# KiCad board keyboard.kicad_pcb (continued)
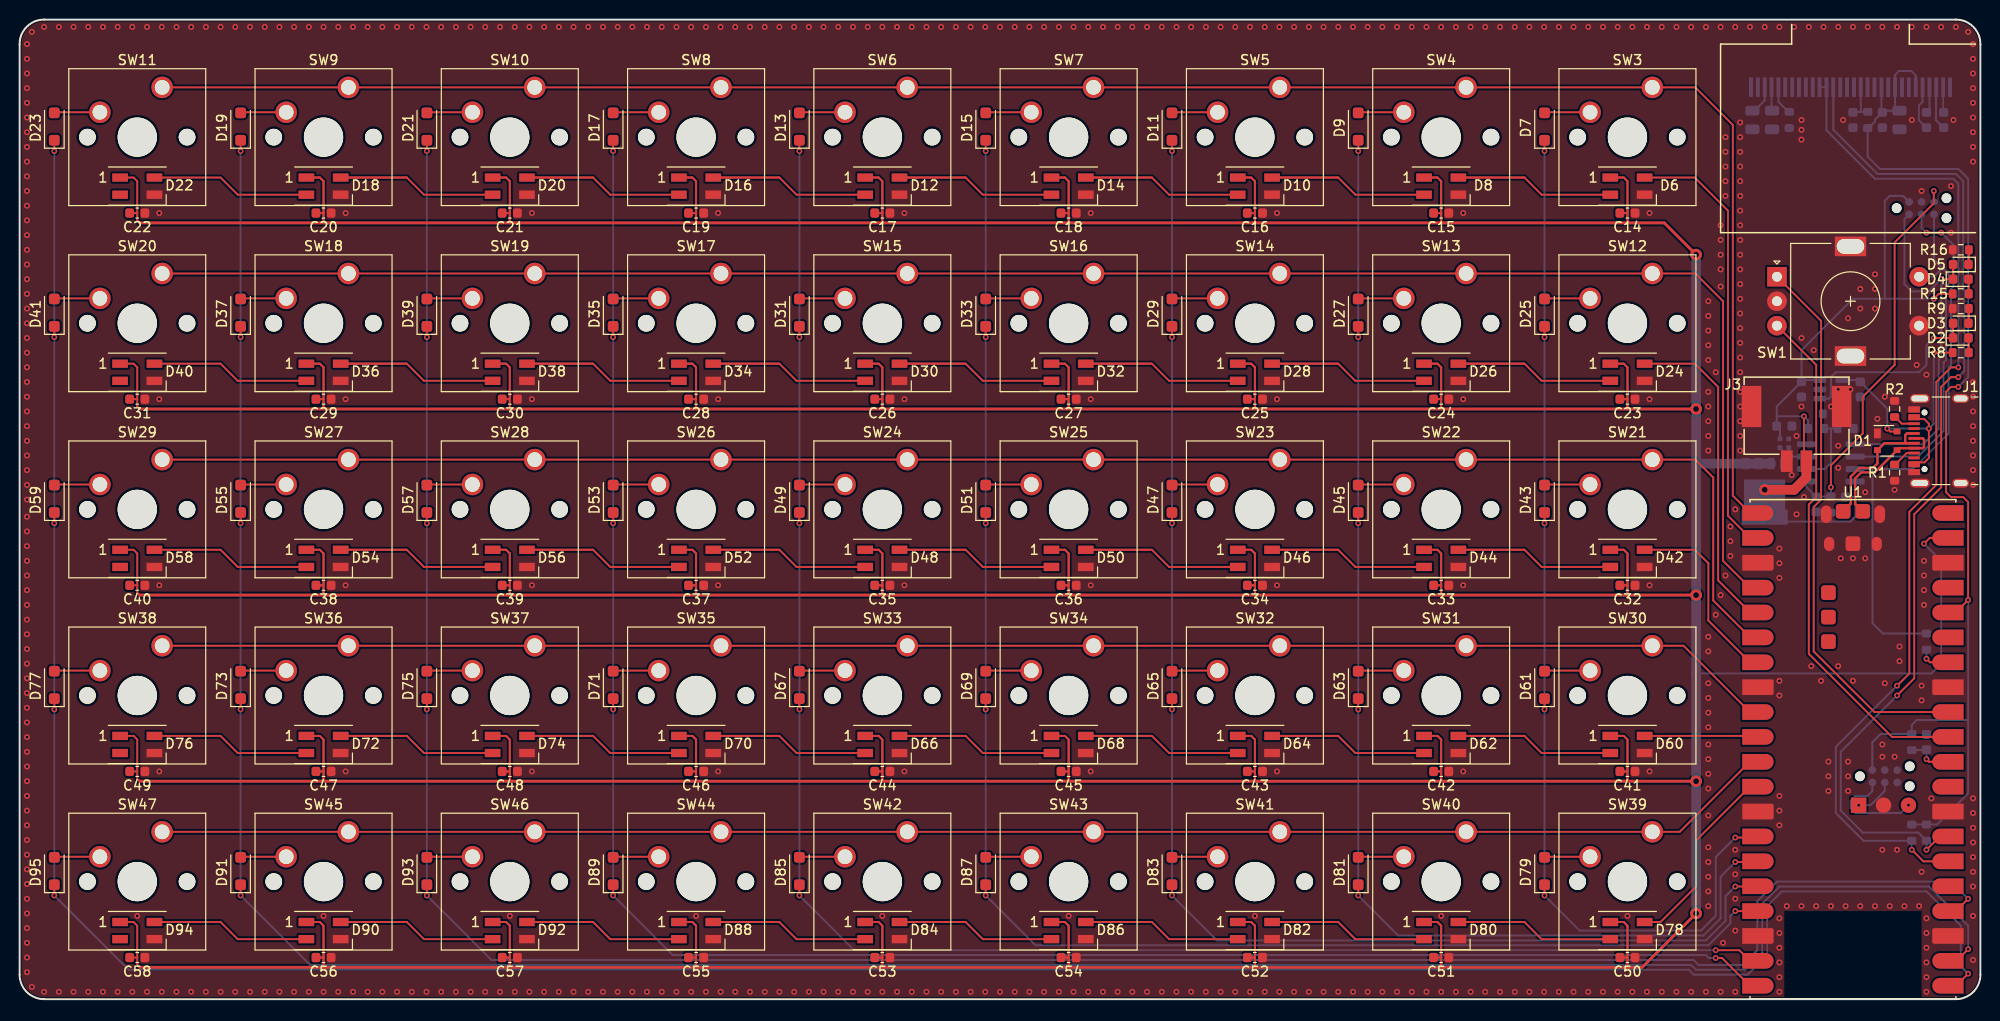
[diagram p0: board, top side]
## Nets
+3V3: C3.1 C4.1 J2.1 R3.1 R5.1 R6.1 R11.1 U1.36 U3.6 U3.9 U3.11
+5V: C2.1 D1.4 J1.A4 J1.A9 J1.B4 J1.B9 R8.2 U6.4
/vbatt_sense: R12.2 R13.1 U4.2
GND: C1.2 C2.2 C3.2 C4.2 C5.2 C8.2 C9.2 C10.2 C11.2 C12.2 C13.2 C14.1 C15.1 C16.1 C17.1 C18.1 C19.1 C20.1 C21.1 C22.1 C23.1 C24.1 C25.1 C26.1 C27.1 C28.1 C29.1 C30.1 C31.1 C32.1 C33.1 C34.1 C35.1 C36.1 C37.1 C38.1 C39.1 C40.1 C41.1 C42.1 C43.1 C44.1 C45.1 C46.1 C47.1 C48.1 C49.1 C50.1 C51.1 C52.1 C53.1 C54.1 C55.1 C56.1 C57.1 C58.1 D1.1 D6.3 D8.3 D10.3 D12.3 D14.3 D16.3 D18.3 D20.3 D22.3 D24.3 D26.3 D28.3 D30.3 D32.3 D34.3 D36.3 D38.3 D40.3 D42.3 D44.3 D46.3 D48.3 D50.3 D52.3 D54.3 D56.3 D58.3 D60.3 D62.3 D64.3 D66.3 D68.3 D70.3 D72.3 D74.3 D76.3 D78.3 D80.3 D82.3 D84.3 D86.3 D88.3 D90.3 D92.3 D94.3 J1.A1 J1.A12 J1.B1 J1.B12 J1.S1 J2.3 J3.1 J3.MP J4.3 R1.2 R2.2 R7.2 R9.2 R10.2 R13.2 R16.2 SW1.C SW1.MP SW1.S1 U1.3 U1.8 U1.13 U1.18 U1.23 U1.28 U1.33 U1.38 U1.D2 U1.MNT U1.TP1 U3.1 U3.8 U3.10 U3.12 U3.13 U3.15 U3.16 U3.17 U3.21 U3.22 U3.23 U3.24 U3.25 U3.29 U3.30 U4.4 U5.2 U6.2
+BATT: C14.2 C15.2 C16.2 C17.2 C18.2 C19.2 C20.2 C21.2 C22.2 C23.2 C24.2 C25.2 C26.2 C27.2 C28.2 C29.2 C30.2 C31.2 C32.2 C33.2 C34.2 C35.2 C36.2 C37.2 C38.2 C39.2 C40.2 C41.2 C42.2 C43.2 C44.2 C45.2 C46.2 C47.2 C48.2 C49.2 C50.2 C51.2 C52.2 C53.2 C54.2 C55.2 C56.2 C57.2 C58.2 D6.1 D8.1 D10.1 D12.1 D14.1 D16.1 D18.1 D20.1 D22.1 D24.1 D26.1 D28.1 D30.1 D32.1 D34.1 D36.1 D38.1 D40.1 D42.1 D44.1 D46.1 D48.1 D50.1 D52.1 D54.1 D56.1 D58.1 D60.1 D62.1 D64.1 D66.1 D68.1 D70.1 D72.1 D74.1 D76.1 D78.1 D80.1 D82.1 D84.1 D86.1 D88.1 D90.1 D92.1 D94.1 Q1.1 Q1.2 Q1.3 U1.39
/D+: D1.2 J1.A6 J1.B6 U1.TP3
/D-: D1.3 J1.A7 J1.B7 U1.TP2
/enc_a: SW1.B U1.31
/enc_b: SW1.A U1.32
/led_r0: D6.4 U1.2
/led_r1: D24.4 U1.5
/led_r2: D42.4 U1.7
/led_r3: D60.4 U1.10
/led_r4: D78.4 U1.12
/led_sw0/dout: D6.2 D8.4
/led_sw1/dout: D8.2 D10.4
/led_sw2/dout: D10.2 D14.4
/led_sw3/dout: D12.4 D14.2
/led_sw4/dout: D12.2 D16.4
/led_sw5/dout: D16.2 D20.4
/led_sw6/dout: D18.4 D20.2
/led_sw7/dout: D18.2 D22.4
/led_sw8/dout: D22.2
/led_sw10/din: D24.2 D26.4
/led_sw10/dout: D26.2 D28.4
/led_sw11/dout: D28.2 D32.4
/led_sw12/dout: D30.4 D32.2
/led_sw13/dout: D30.2 D34.4
/led_sw14/dout: D34.2 D38.4
/led_sw15/dout: D36.4 D38.2
/led_sw16/dout: D36.2 D40.4
/led_sw17/dout: D40.2
/led_sw18/dout: D42.2 D44.4
/led_sw19/dout: D44.2 D46.4
/led_sw20/dout: D46.2 D50.4
/led_sw21/dout: D48.4 D50.2
/led_sw22/dout: D48.2 D52.4
/led_sw23/dout: D52.2 D56.4
/led_sw24/dout: D54.4 D56.2
/led_sw25/dout: D54.2 D58.4
/led_sw26/dout: D58.2
/led_sw27/dout: D60.2 D62.4
/led_sw28/dout: D62.2 D64.4
/led_sw29/dout: D64.2 D68.4
/led_sw30/dout: D66.4 D68.2
/led_sw31/dout: D66.2 D70.4
/led_sw32/dout: D70.2 D74.4
/led_sw33/dout: D72.4 D74.2
/led_sw34/dout: D72.2 D76.4
/led_sw35/dout: D76.2
/led_sw36/dout: D78.2 D80.4
/led_sw37/dout: D80.2 D82.4
/led_sw38/dout: D82.2 D86.4
/led_sw39/dout: D84.4 D86.2
/led_sw40/dout: D84.2 D88.4
/led_sw41/dout: D88.2 D92.4
/led_sw42/dout: D90.4 D92.2
/led_sw43/dout: D90.2 D94.4
/led_sw44/dout: D94.2
/lipo+: C5.1 C11.1 C13.1 J3.2 J4.1 Q1.5 R12.1 R14.1 R15.1 U4.8 U5.1 U6.3
/pwr_en: U4.3 U5.3
/pwr_led: D4.1 D5.2 J4.2 U4.5
/pwr_sw: J4.6 SW1.S2 U4.6
/SCL: R6.2 U1.27 U3.18
/SDA: R5.2 U1.26 U3.19 U3.20
/sw_c0: D23.1 D41.1 D59.1 D77.1 D95.1 U1.21
/sw_c1: D19.1 D37.1 D55.1 D73.1 D91.1 U1.22
/sw_c2: D21.1 D39.1 D57.1 D75.1 D93.1 U1.24
/sw_c3: D17.1 D35.1 D53.1 D71.1 D89.1 U1.20
/sw_c4: D13.1 D31.1 D49.1 D67.1 D85.1 U1.19
/sw_c5: D15.1 D33.1 D51.1 D69.1 D87.1 U1.17
/sw_c6: D11.1 D29.1 D47.1 D65.1 D83.1 U1.16
/sw_c7: D9.1 D27.1 D45.1 D63.1 D81.1 U1.15
/sw_c8: D7.1 D25.1 D43.1 D61.1 D79.1 U1.14
/sw_r0: SW3.1 SW4.1 SW5.1 SW6.1 SW7.1 SW8.1 SW9.1 SW10.1 SW11.1 U1.1
/sw_r1: SW12.1 SW13.1 SW14.1 SW15.1 SW16.1 SW17.1 SW18.1 SW19.1 SW20.1 U1.4
/sw_r2: SW21.1 SW22.1 SW23.1 SW24.1 SW25.1 SW26.1 SW27.1 SW28.1 SW29.1 U1.6
/sw_r3: SW30.1 SW31.1 SW32.1 SW33.1 SW34.1 SW35.1 SW36.1 SW37.1 SW38.1 U1.9
/sw_r4: SW39.1 SW40.1 SW41.1 SW42.1 SW43.1 SW44.1 SW45.1 SW46.1 SW47.1 U1.11
/SWCLK: J2.4 U1.D1
/SWDIO: J2.2 U1.D3
/tiny_rst: C12.1 J4.5 R14.2 U4.1
/watchdog: J4.4 R4.2 U4.7
Net-(D2-A): D2.2 R8.1
Net-(D2-K): D2.1 D3.2 U6.1
Net-(D3-K): D3.1 R9.1
Net-(D4-A): D4.2 R15.2
Net-(D5-K): D5.1 R16.1
Net-(D7-A): D7.2 SW3.2
Net-(D9-A): D9.2 SW4.2
Net-(D11-A): D11.2 SW5.2
Net-(D13-A): D13.2 SW6.2
Net-(D15-A): D15.2 SW7.2
Net-(D17-A): D17.2 SW8.2
Net-(D19-A): D19.2 SW9.2
Net-(D21-A): D21.2 SW10.2
Net-(D23-A): D23.2 SW11.2
Net-(D25-A): D25.2 SW12.2
Net-(D27-A): D27.2 SW13.2
Net-(D29-A): D29.2 SW14.2
Net-(D31-A): D31.2 SW15.2
Net-(D33-A): D33.2 SW16.2
Net-(D35-A): D35.2 SW17.2
Net-(D37-A): D37.2 SW18.2
Net-(D39-A): D39.2 SW19.2
Net-(D41-A): D41.2 SW20.2
Net-(D43-A): D43.2 SW21.2
Net-(D45-A): D45.2 SW22.2
Net-(D47-A): D47.2 SW23.2
Net-(D49-A): D49.2 SW24.2
Net-(D51-A): D51.2 SW25.2
Net-(D53-A): D53.2 SW26.2
Net-(D55-A): D55.2 SW27.2
Net-(D57-A): D57.2 SW28.2
Net-(D59-A): D59.2 SW29.2
Net-(D61-A): D61.2 SW30.2
Net-(D63-A): D63.2 SW31.2
Net-(D65-A): D65.2 SW32.2
Net-(D67-A): D67.2 SW33.2
Net-(D69-A): D69.2 SW34.2
Net-(D71-A): D71.2 SW35.2
Net-(D73-A): D73.2 SW36.2
Net-(D75-A): D75.2 SW37.2
Net-(D77-A): D77.2 SW38.2
Net-(D79-A): D79.2 SW39.2
Net-(D81-A): D81.2 SW40.2
Net-(D83-A): D83.2 SW41.2
Net-(D85-A): D85.2 SW42.2
Net-(D87-A): D87.2 SW43.2
Net-(D89-A): D89.2 SW44.2
Net-(D91-A): D91.2 SW45.2
Net-(D93-A): D93.2 SW46.2
Net-(D95-A): D95.2 SW47.2
Net-(J1-CC1): J1.A5 R1.1
Net-(J1-CC2): J1.B5 R2.1
Net-(Q1-G): Q1.4 U5.4
Net-(U1-GP28): R4.1 U1.34
Net-(U1-RUN): C1.1 R3.2 U1.30
Net-(U3-C1N): C7.2 U3.5
Net-(U3-C1P): C7.1 U3.4
Net-(U3-C2N): C6.2 U3.3
Net-(U3-C2P): C6.1 U3.2
Net-(U3-IREF): R10.1 U3.26
Net-(U3-RST): C9.1 R11.2 U3.14
Net-(U3-VCOMH): C8.1 U3.27
Net-(U3-VDisplay): C10.1 U3.28
Net-(U6-PROG): R7.1 U6.5

Pads without a net: J1 A8 B8; J2 5 6; U1 25 29 35 37 40 TP4 TP5 TP6; U3 7

## Via types
v1: diameter 0.6, hole 0.3, Top to Bottom, 627 vias
v2: diameter 1.2, hole 0.6, Top to Bottom, 6 vias

## Routing (per net, layer and track width the routed paths; a pad name or vN(x,y) marks a point on that pad's centre or on a via; arc(x,y) is an arc through that point)
+3V3: length 117.9
  Top w0.2: U1.36 197.47,39.47 v1(198.75,40.75) 198.75,50.75 198.25,51.25 197,51.25 196.5,51.75 196.5,62 197,62.5 v1(197.75,62.5)
  Bottom w0.2: U3.11 189.9,90.62 C4.1 ; C4.1 189.98,90.53 189.25,89.8 189.25,89.6 188.57,88.92 R11.1 188.5,86 189.75,84.75 197.75,84.75 198.75,83.75 198.75,63.5 v1(197.75,62.5) ; C4.1 190.18,90.7 C3.1 191.3,91.15 U3.9 191.3,94.35 191.7,94.75 192.95,94.75 193.4,94.3 U3.6 ; 198.75,28.5 193.5,28.5 193,28 R3.1 189.82,27.07 188.98,26.23 J2.1 ; 198.75,28.5 v1(198.75,40.75) ; 198.75,28.5 198.75,21 195.57,17.82 R6.1 R5.1
+5V: length 30.2
  Top w0.2: v1(190.5,58.25) 190.8,57.95 D1.4 ; J1.A9 193.4,59.24 194.26,59.24 194.75,58.75 v1(194.75,58.25) 194.75,55.25 194.3,54.8 193.44,54.8 J1.A4 ; v1(195.25,66) R8.2
  Bottom w0.2: U6.4 187.57,63.2 C2.1 190.25,60.53 190.25,60.5 190.5,60.25 v1(190.5,58.25) v1(194.75,58.25) 195.25,58.75 v1(195.25,66)
/vbatt_sense: length 7.6
  Bottom w0.2: U4.2 184.12,54.12 184.75,54.75 184.75,58.25 ; R12.2 184.75,58.25 ; 184.75,58.25 R13.1
GND:
  vias: v1(0.75,97.5) v1(0.75,96) v1(0.75,94.5) v1(0.75,93) v1(0.75,91.5) v1(0.75,90) v1(0.75,88.5) v1(0.75,87) v1(0.75,85.5) v1(0.75,84) v1(0.75,82.5) v1(0.75,81) v1(0.75,79.5) v1(0.75,78) v1(0.75,76.5) v1(0.75,75) v1(0.75,73.5) v1(0.75,72) v1(0.75,70.5) v1(0.75,69) v1(0.75,67.5) v1(0.75,66) v1(0.75,64.5) v1(0.75,63) v1(0.75,61.5) v1(0.75,60) v1(0.75,58.5) v1(0.75,57) v1(0.75,55.5) v1(0.75,54) v1(0.75,52.5) v1(0.75,51) v1(0.75,49.25) v1(0.75,47.75) v1(0.75,46.25) v1(0.75,44.75) v1(0.75,43.25) v1(0.75,41.75) v1(0.75,40.25) v1(0.75,38.75) v1(0.75,37.25) v1(0.75,35.75) v1(0.75,34.25) v1(0.75,32.75) v1(0.75,31.25) v1(0.75,29.75) v1(0.75,28.25) v1(0.75,26.75) v1(0.75,25.25) v1(0.75,23.75) v1(0.75,22.25) v1(0.75,20.75) v1(0.75,19.25) v1(0.75,17.75) v1(0.75,16.25) v1(0.75,14.75) v1(0.75,13.25) v1(0.75,11.75) v1(0.75,10.25) v1(0.75,8.75) v1(0.75,7.25) v1(0.75,5.75) v1(0.75,4.25) v1(0.75,2.75) v1(1.25,98.75) v1(1.25,1.25) v1(2.5,99.25) v1(2.5,0.75) v1(4,99.25) v1(4,0.75) v1(5.5,99.25) v1(5.5,0.75) v1(7,99.25) v1(7,0.75) v1(8.5,99.25) v1(8.5,0.75) v1(10,99.25) v1(10,0.75) v1(11.5,99.25) v1(11.5,0.75) v1(12,8.5) v1(13,99.25) v1(13,0.75) v1(14.25,80.25) v1(14.25,61.25) v1(14.25,42.25) v1(14.25,23.25) v1(14.5,99.25) v1(14.5,0.75) v1(16,99.25) v1(16,0.75) v1(17.5,99.25) v1(17.5,0.75) v1(19,99.25) v1(19,0.75) v1(20.5,99.25) v1(20.5,0.75) v1(22,99.25) v1(22,0.75) v1(23.5,99.25) v1(23.5,0.75) v1(25,99.25) v1(25,0.75) v1(26.5,99.25) v1(26.5,0.75) v1(28,99.25) v1(28,0.75) v1(29.5,99.25) v1(29.5,0.75) v1(31,99.25) v1(31,8.5) v1(31,0.75) v1(32.5,99.25) v1(32.5,0.75) v1(33.25,80.25) v1(33.25,61.25) v1(33.25,42.25) v1(33.25,23.25) v1(34,99.25) v1(34,0.75) v1(35.5,99.25) v1(35.5,0.75) v1(37,99.25) v1(37,0.75) v1(38.5,99.25) v1(38.5,0.75) v1(40,99.25) v1(40,0.75) v1(41.5,99.25) v1(41.5,0.75) v1(43,99.25) v1(43,0.75) v1(44.5,99.25) v1(44.5,0.75) v1(46,99.25) v1(46,0.75) v1(47.5,99.25) v1(47.5,0.75) v1(49,99.25) v1(49,0.75) v1(50,8.5) v1(50.5,99.25) v1(50.5,0.75) v1(52,99.25) v1(52,0.75) v1(52.25,80.25) v1(52.25,61.25) v1(52.25,42.25) v1(52.25,23.25) v1(53.5,99.25) v1(53.5,0.75) v1(55,99.25) v1(55,0.75) v1(56.5,99.25) v1(56.5,0.75) v1(58,99.25) v1(58,0.75) v1(59.5,99.25) v1(59.5,0.75) v1(61,99.25) v1(61,0.75) v1(62.5,99.25) v1(62.5,0.75) v1(64,99.25) v1(64,0.75) v1(65.5,99.25) v1(65.5,0.75) v1(67,99.25) v1(67,0.75) v1(68.5,99.25) v1(68.5,0.75) v1(69,8.5) v1(70,99.25) v1(70,0.75) v1(71.25,80.25) v1(71.25,61.25) v1(71.25,42.25) v1(71.25,23.25) v1(71.5,99.25) v1(71.5,0.75) v1(73,99.25) v1(73,0.75) v1(74.5,99.25) v1(74.5,0.75) v1(76,99.25) v1(76,0.75) v1(77.5,99.25) v1(77.5,0.75) v1(79,99.25) v1(79,0.75) v1(80.5,99.25) v1(80.5,0.75) v1(82,99.25) v1(82,0.75) v1(83.5,99.25) v1(83.5,0.75) v1(85,99.25) v1(85,0.75) v1(86.5,99.25) v1(86.5,0.75) v1(88,99.25) v1(88,8.5) v1(88,0.75) v1(89.5,99.25) v1(89.5,0.75) v1(90.25,80.25) v1(90.25,61.25) v1(90.25,42.25) v1(90.25,23.25) v1(91,99.25) v1(91,0.75) v1(92.5,99.25) v1(92.5,0.75) v1(94,99.25) v1(94,0.75) v1(95.5,99.25) v1(95.5,0.75) v1(97,99.25) v1(97,0.75) v1(98.5,99.25) v1(98.5,0.75) v1(100,99.25) v1(100,0.75) v1(101.5,99.25) v1(101.5,0.75) v1(103,99.25) v1(103,0.75) v1(104.5,99.25) v1(104.5,0.75) v1(106,99.25) v1(106,0.75) v1(107,8.5) v1(107.5,99.25) v1(107.5,0.75) v1(109,99.25) v1(109,0.75) v1(109.25,80.25) v1(109.25,61.25) v1(109.25,42.25) v1(109.25,23.25) v1(110.5,99.25) v1(110.5,0.75) v1(112,99.25) v1(112,0.75) v1(113.5,99.25) v1(113.5,0.75) v1(115,99.25) v1(115,0.75) v1(116.5,99.25) v1(116.5,0.75) v1(118,99.25) v1(118,0.75) v1(119.5,99.25) v1(119.5,0.75) v1(121,99.25) v1(121,0.75) v1(122.5,99.25) v1(122.5,0.75) v1(124,99.25) v1(124,0.75) v1(125.5,99.25) v1(125.5,0.75) v1(126,8.5) v1(127,99.25) v1(127,0.75) v1(128.25,80.25) v1(128.25,61.25) v1(128.25,42.25) v1(128.25,23.25) v1(128.5,99.25) v1(128.5,0.75) v1(130,99.25) v1(130,0.75) v1(131.5,99.25) v1(131.5,0.75) v1(133,99.25) v1(133,0.75) v1(134.5,99.25) v1(134.5,0.75) v1(136,99.25) v1(136,0.75) v1(137.5,99.25) v1(137.5,0.75) v1(139,99.25) v1(139,0.75) v1(140.5,99.25) v1(140.5,0.75) v1(142,99.25) v1(142,0.75) v1(143.5,99.25) v1(143.5,0.75) v1(145,99.25) v1(145,8.5) v1(145,0.75) v1(146.5,99.25) v1(146.5,0.75) v1(147.25,80.25) v1(147.25,61.25) v1(147.25,42.25) v1(147.25,23.25) v1(148,99.25) v1(148,0.75) v1(149.5,99.25) v1(149.5,0.75) v1(151,99.25) v1(151,0.75) v1(152.5,99.25) v1(152.5,0.75) v1(154,99.25) v1(154,0.75) v1(155.5,99.25) v1(155.5,0.75) v1(157,99.25) v1(157,0.75) v1(158.5,99.25) v1(158.5,0.75) v1(160,99.25) v1(160,0.75) v1(161.5,99.25) v1(161.5,0.75) v1(163,99.25) v1(163,0.75) v1(164,8.5) v1(164.5,99.25) v1(164.5,0.75) v1(166,99.25) v1(166,0.75) v1(166.25,80.25) v1(166.25,61.25) v1(166.25,42.25) v1(166.25,23.25) v1(167.5,99.25) v1(167.5,0.75) v1(169,99.25) v1(169,0.75) v1(170.5,99.25) v1(170.5,0.75) v1(172,99.25) v1(172,0.75) v1(172.25,71.25) v1(172.25,69.75) v1(172.25,68.25) v1(172.25,66.75) v1(172.25,65.25) v1(172.25,62) v1(172.25,60.5) v1(172.25,59) v1(172.25,57.5) v1(172.25,56) v1(172.25,37) v1(172.25,35.5) v1(172.25,32.25) v1(172.25,30.75) v1(172.25,29.25) v1(172.25,27.75) v1(172.25,26) v1(172.25,24.5) v1(172.25,23) v1(172.25,21.5) v1(172.25,18.75) v1(172.25,15.5) v1(172.25,14) v1(172.25,12.5) v1(172.25,11) v1(172.25,9.5) v1(173,64) v1(173,39.25) v1(173.5,99.25) v1(173.5,79) v1(173.5,77.5) v1(173.5,76) v1(173.5,74.5) v1(173.5,72.75) v1(173.5,41.25) v1(173.5,0.75) v1(173.75,5.75) v1(174,88) v1(174,86.5) v1(174,85) v1(174,83.5) v1(174,82) v1(174,43.25) v1(174.5,48.25) v1(174.5,46.75) v1(174.5,45.25) v1(175,99.25) v1(175,50) v1(175,15.25) v1(175,12.75) v1(175,10.25) v1(175,7) v1(175,0.75) v1(175.5,89.5) v1(175.5,88) v1(175.5,86.5) v1(175.5,85) v1(175.5,83.5) v1(175.5,82) v1(175.5,80.5) v1(175.5,79) v1(175.5,77.5) v1(175.5,76) v1(175.5,74.5) v1(175.5,73) v1(175.5,71.5) v1(175.5,70) v1(175.5,68.5) v1(175.5,67) v1(175.5,65.5) v1(175.5,64) v1(175.5,62) v1(175.5,60.5) v1(175.5,59) v1(175.5,57.5) v1(175.5,56) v1(176.5,99.25) v1(178,99.25) v1(179.5,99.25) v1(179.5,46) v1(179.5,44.5) v1(179.5,43) v1(179.5,32.5) v1(179.5,31) v1(179.5,20.75) v1(179.5,19.25) v1(179.5,17.75) v1(179.5,8.25) v1(179.5,6.75) v1(179.5,5.25) v1(179.5,3.75) v1(179.5,2.25) v1(179.5,0.75) v1(180.25,9.5) v1(180.75,53.5) v1(181,99.25) v1(181.25,57.5) v1(181.25,49.5) v1(181.75,89.75) v1(181.75,88.75) v1(181.75,87.75) v1(181.75,67.5) v1(181.75,60.5) v1(181.75,9.5) v1(182,51.25) v1(182.5,99.25) v1(182.75,34) v1(183,66.25) v1(183.25,9.5) v1(183.75,32.5) v1(184,99.25) v1(184.5,24.25) v1(184.5,22.75) v1(184.5,21.25) v1(184.75,60.5) v1(184.75,9.5) v1(185.5,99.25) v1(185.5,62.25) v1(185.5,56.5) v1(185.5,54.25) v1(185.5,34) v1(185.75,45) v1(186,89.75) v1(186.25,9.5) v1(186.5,69.5) v1(186.5,24.25) v1(186.5,22.75) v1(186.5,21.25) v1(186.75,62.25) v1(187,99.25) v1(187,45) v1(187,32.5) v1(187.75,72.5) v1(187.75,70.5) v1(187.75,9.5) v1(188.25,51.75) v1(188.25,45) v1(188.5,99.25) v1(189.25,74) v1(189.25,72.5) v1(189.25,70.5) v1(189.25,9.5) v1(189.5,59.25) v1(190,99.25) v1(190,26) v1(190,24.75) v1(190,15.25) v1(190.25,61.5) v1(190.25,32.25) v1(190.75,9.5) v1(191.25,52) v1(191.25,24.75) v1(191.5,99.25) v1(191.5,15.25) v1(191.75,36) v1(191.75,34.5) v1(192.25,9.5) v1(193,99.25) v1(193,89.75) v1(193.5,64.75) v1(193.75,9.5) v1(194,82.5) v1(194,32) v1(194,30.5) v1(194,13) v1(194.25,44.75) v1(194.25,43.25) v1(194.25,41.75) v1(194.25,40.25) v1(194.5,99.25) v1(194.5,63.75) v1(194.5,8.25) v1(194.5,6.75) v1(194.5,5.25) v1(194.5,3.75) v1(194.5,2.25) v1(194.5,0.75) v1(195,20.5) v1(196,99.25) v1(197,83) v1(197,78.25) v1(197.25,89.75) v1(197.5,99.25) v1(198.75,98.75) v1(199.25,97.5) v1(199.25,96) v1(199.25,94.5) v1(199.25,93) v1(199.25,91.5) v1(199.25,90) v1(199.25,88.5) v1(199.25,87) v1(199.25,85.5) v1(199.25,63) v1(199.25,61.5) v1(199.25,60) v1(199.25,58.5) v1(199.25,57) v1(199.25,55.5) v1(199.25,54) v1(199.25,52.5) v1(199.25,20.5) v1(199.25,19) v1(199.25,17.5) v1(199.25,16) v1(199.25,14.5) v1(199.25,13) v1(199.25,11.5) v1(199.25,8.5) v1(199.25,4)
+BATT: length 1503
  Top w0.2: 164,61.25 164,60.25 164,61.25 ; 164,61.25 164,64.5 ; 164,61.25 C23.2 164,61.25 ; 164,61.25 164,64.5 ; 68.62,26.88 D70.1 68.62,26.88 ; 68.62,26.88 69,26.5 ; 68.62,26.88 69,26.5 ; 164,80.25 164,79.25 164,80.25 ; 164,80.25 164,83.5 ; 164,80.25 C14.2 164,80.25 ; 164,80.25 164,83.5 ; 164,64.5 163.62,64.88 ; 164,64.5 163.62,64.88 ; 125.62,83.88 D10.1 125.62,83.88 ; 125.62,83.88 126,83.5 ; 125.62,83.88 126,83.5 ; 164,42.25 C32.2 164,42.25 ; 164,42.25 164,45.5 ; 164,42.25 164,45.5 ; 164,42.25 164,41.25 164,42.25 ; 144.62,7.88 145,7.5 ; 144.62,7.88 145,7.5 ; 144.62,7.88 D80.1 144.62,7.88 ; 145,7.5 145,4.25 ; 145,7.5 145,4.25 ; 107,7.5 107,4.25 ; 107,7.5 107,4.25 ; 107,7.5 106.62,7.88 ; 107,7.5 106.62,7.88 ; 107,4.25 C54.2 107,4.25 ; 107,4.25 107,3.25 107,4.25 ; 87.62,26.88 88,26.5 ; 87.62,26.88 D66.1 87.62,26.88 ; 87.62,26.88 88,26.5 ; 88,26.5 88,23.25 ; 88,26.5 88,23.25 ; 126,83.5 126,80.25 ; 126,83.5 126,80.25 ; 126,80.25 C16.2 126,80.25 ; 126,80.25 126,79.25 126,80.25 ; 69,45.5 69,42.25 ; 69,45.5 68.62,45.88 ; 69,45.5 69,42.25 ; 69,45.5 68.62,45.88 ; 69,42.25 C37.2 69,42.25 ; 69,42.25 69,41.25 69,42.25 ; 145,64.5 145,61.25 ; 145,64.5 145,61.25 ; 145,64.5 144.62,64.88 ; 145,64.5 144.62,64.88 ; 145,61.25 145,60.25 145,61.25 ; 145,61.25 C24.2 145,61.25 ; 144.62,64.88 D26.1 144.62,64.88 ; U1.39 194.84,47.09 v1(194.25,46.5) ; 163.62,7.88 D78.1 163.62,7.88 ; 163.62,7.88 164,7.5 ; 163.62,7.88 164,7.5 ; 88,45.5 88,42.25 ; 88,45.5 88,42.25 ; 88,45.5 87.62,45.88 ; 88,45.5 87.62,45.88 ; 88,42.25 C35.2 88,42.25 ; 88,42.25 88,41.25 88,42.25 ; 30.62,7.88 D90.1 30.62,7.88 ; 30.62,7.88 31,7.5 ; 30.62,7.88 31,7.5 ; 30.62,26.88 D72.1 30.62,26.88 ; 30.62,26.88 31,26.5 ; 30.62,26.88 31,26.5 ; 50,45.5 50,42.25 ; 50,45.5 49.62,45.88 ; 50,45.5 49.62,45.88 ; 50,45.5 50,42.25 ; 50,42.25 C39.2 50,42.25 ; 50,42.25 50,41.25 50,42.25 ; 145,23.25 145,22.25 145,23.25 ; 145,23.25 C42.2 145,23.25 ; 145,23.25 145,26.5 ; 145,23.25 145,26.5 ; 49.62,45.88 D56.1 49.62,45.88 ; 164,26.5 164,23.25 ; 164,26.5 164,23.25 ; 164,26.5 163.62,26.88 ; 164,26.5 163.62,26.88 ; 164,23.25 164,22.25 164,23.25 ; 164,23.25 C41.2 164,23.25 ; 49.62,83.88 50,83.5 ; 49.62,83.88 D20.1 49.62,83.88 ; 49.62,83.88 50,83.5 ; 50,83.5 50,80.25 ; 50,83.5 50,80.25 ; 69,4.25 69,3.25 69,4.25 ; 69,4.25 69,7.5 ; 69,4.25 C55.2 69,4.25 ; 69,4.25 69,7.5 ; 68.62,45.88 D52.1 68.62,45.88 ; 144.62,26.88 145,26.5 ; 144.62,26.88 D62.1 144.62,26.88 ; 144.62,26.88 145,26.5 ; 88,61.25 C26.2 88,61.25 ; 88,61.25 88,64.5 ; 88,61.25 88,60.25 88,61.25 ; 88,61.25 88,64.5 ; 163.62,64.88 D24.1 163.62,64.88 ; 164,4.25 C50.2 164,4.25 ; 164,4.25 164,7.5 ; 164,4.25 164,3.25 164,4.25 ; 164,4.25 164,7.5 ; 106.62,26.88 D68.1 106.62,26.88 ; 106.62,26.88 107,26.5 ; 106.62,26.88 107,26.5 ; 69,26.5 69,23.25 ; 69,26.5 69,23.25 ; 145,42.25 145,41.25 145,42.25 ; 145,42.25 C33.2 145,42.25 ; 145,42.25 145,45.5 ; 145,42.25 145,45.5 ; 126,4.25 C52.2 126,4.25 ; 126,4.25 126,7.5 ; 126,4.25 126,7.5 ; 126,4.25 126,3.25 126,4.25 ; 163.62,26.88 D60.1 163.62,26.88 ; 107,26.5 107,23.25 ; 107,26.5 107,23.25 ; 12,23.25 12,26.5 11.62,26.88 D76.1 ; 12,23.25 12,22.5 12.25,22.25 ; 12,23.25 C49.2 ; 31,4.25 31,3.25 31,4.25 ; 31,4.25 C56.2 31,4.25 ; 31,4.25 31,7.5 ; 31,4.25 31,7.5 ; 50,23.25 C48.2 50,23.25 ; 50,23.25 50,22.25 50,23.25 ; 50,23.25 50,26.5 ; 50,23.25 50,26.5 ; 12.25,79.25 12,79.5 12,80.25 ; 125.62,7.88 D82.1 125.62,7.88 ; 125.62,7.88 126,7.5 ; 125.62,7.88 126,7.5 ; 126,23.25 126,22.25 126,23.25 ; 126,23.25 126,26.5 ; 126,23.25 C43.2 126,23.25 ; 126,23.25 126,26.5 ; 69,7.5 68.62,7.88 ; 69,7.5 68.62,7.88 ; 12,61.25 12,64.5 11.62,64.88 D40.1 ; 12,61.25 C31.2 ; 12,61.25 12,60.5 12.25,60.25 ; 31,42.25 C38.2 31,42.25 ; 31,42.25 31,45.5 ; 31,42.25 31,45.5 ; 31,42.25 31,41.25 31,42.25 ; 87.62,83.88 88,83.5 ; 87.62,83.88 D12.1 87.62,83.88 ; 87.62,83.88 88,83.5 ; 88,83.5 88,80.25 ; 88,83.5 88,80.25 ; 125.62,26.88 D64.1 125.62,26.88 ; 125.62,26.88 126,26.5 ; 125.62,26.88 126,26.5 ; 69,80.25 C19.2 69,80.25 ; 69,80.25 69,83.5 ; 69,80.25 69,79.25 69,80.25 ; 69,80.25 69,83.5 ; 106.62,7.88 D86.1 106.62,7.88 ; 49.62,26.88 D74.1 49.62,26.88 ; 49.62,26.88 50,26.5 ; 49.62,26.88 50,26.5 ; D22.1 11.62,83.88 12,83.5 12,80.25 ; 69,83.5 68.62,83.88 ; 69,83.5 68.62,83.88 ; 50,7.5 50,4.25 ; 50,7.5 49.62,7.88 ; 50,7.5 49.62,7.88 ; 50,7.5 50,4.25 ; 50,4.25 50,3.25 50,4.25 ; 50,4.25 C57.2 50,4.25 ; 125.62,45.88 D46.1 125.62,45.88 ; 125.62,45.88 126,45.5 ; 125.62,45.88 126,45.5 ; 87.62,64.88 88,64.5 ; 87.62,64.88 88,64.5 ; 87.62,64.88 D30.1 87.62,64.88 ; 88,23.25 C44.2 88,23.25 ; 88,23.25 88,22.25 88,23.25 ; 126,42.25 C34.2 126,42.25 ; 126,42.25 126,41.25 126,42.25 ; 126,42.25 126,45.5 ; 126,42.25 126,45.5 ; 107,23.25 107,22.25 107,23.25 ; 107,23.25 C45.2 107,23.25 ; 68.62,7.88 D88.1 68.62,7.88 ; 49.62,7.88 D92.1 49.62,7.88 ; 88,80.25 88,79.25 88,80.25 ; 88,80.25 C17.2 88,80.25 ; 87.62,7.88 D84.1 87.62,7.88 ; 87.62,7.88 88,7.5 ; 87.62,7.88 88,7.5 ; 106.62,64.88 107,64.5 ; 106.62,64.88 D32.1 106.62,64.88 ; 106.62,64.88 107,64.5 ; 107,64.5 107,61.25 ; 107,64.5 107,61.25 ; 69,23.25 69,22.25 69,23.25 ; 69,23.25 C46.2 69,23.25 ; 164,45.5 163.62,45.88 ; 164,45.5 163.62,45.88 ; 69,64.5 69,61.25 ; 69,64.5 69,61.25 ; 69,64.5 68.62,64.88 ; 69,64.5 68.62,64.88 ; 69,61.25 C28.2 69,61.25 ; 69,61.25 69,60.25 69,61.25 ; 144.62,45.88 145,45.5 ; 144.62,45.88 D44.1 144.62,45.88 ; 144.62,45.88 145,45.5 ; 106.62,45.88 D50.1 106.62,45.88 ; 106.62,45.88 107,45.5 ; 106.62,45.88 107,45.5 ; 50,80.25 C21.2 50,80.25 ; 50,80.25 50,79.25 50,80.25 ; 125.62,64.88 D28.1 125.62,64.88 ; 125.62,64.88 126,64.5 ; 125.62,64.88 126,64.5 ; 50,61.25 50,60.25 50,61.25 ; 50,61.25 C30.2 50,61.25 ; 50,61.25 50,64.5 ; 50,61.25 50,64.5 ; 30.62,64.88 31,64.5 ; 30.62,64.88 D36.1 30.62,64.88 ; 30.62,64.88 31,64.5 ; 31,64.5 31,61.25 ; 31,64.5 31,61.25 ; 145,4.25 145,3.25 145,4.25 ; 145,4.25 C51.2 145,4.25 ; 145,80.25 C15.2 145,80.25 ; 145,80.25 145,83.5 ; 145,80.25 145,79.25 145,80.25 ; 145,80.25 145,83.5 ; 31,45.5 30.62,45.88 ; 31,45.5 30.62,45.88 ; 31,23.25 C47.2 31,23.25 ; 31,23.25 31,22.25 31,23.25 ; 31,23.25 31,26.5 ; 31,23.25 31,26.5 ; 31,61.25 C29.2 31,61.25 ; 31,61.25 31,60.25 31,61.25 ; 107,80.25 107,79.25 107,80.25 ; 107,80.25 C18.2 107,80.25 ; 107,80.25 107,83.5 ; 107,80.25 107,83.5 ; 164,83.5 163.62,83.88 ; 164,83.5 163.62,83.88 ; 31,83.5 31,80.25 ; 31,83.5 30.62,83.88 ; 31,83.5 31,80.25 ; 31,83.5 30.62,83.88 ; 31,80.25 C20.2 31,80.25 ; 31,80.25 31,79.25 31,80.25 ; 163.62,83.88 D6.1 163.62,83.88 ; 12,80.25 C22.2 ; 12,4.25 12,3.5 12.25,3.25 ; 12,4.25 12,7.5 11.62,7.88 D94.1 ; 12,4.25 C58.2 ; 68.62,83.88 D16.1 68.62,83.88 ; 126,64.5 126,61.25 ; 126,64.5 126,61.25 ; 126,61.25 126,60.25 126,61.25 ; 126,61.25 C25.2 126,61.25 ; 30.62,83.88 D18.1 30.62,83.88 ; 144.62,83.88 D8.1 144.62,83.88 ; 144.62,83.88 145,83.5 ; 144.62,83.88 145,83.5 ; 107,61.25 107,60.25 107,61.25 ; 107,61.25 C27.2 107,61.25 ; 87.62,45.88 D48.1 87.62,45.88 ; 88,4.25 C53.2 88,4.25 ; 88,4.25 88,7.5 ; 88,4.25 88,3.25 88,4.25 ; 88,4.25 88,7.5 ; 106.62,83.88 D14.1 106.62,83.88 ; 106.62,83.88 107,83.5 ; 106.62,83.88 107,83.5 ; 30.62,45.88 D54.1 30.62,45.88 ; 68.62,64.88 D34.1 68.62,64.88 ; 107,42.25 107,41.25 107,42.25 ; 107,42.25 C36.2 107,42.25 ; 107,42.25 107,45.5 ; 107,42.25 107,45.5 ; 49.62,64.88 50,64.5 ; 49.62,64.88 D38.1 49.62,64.88 ; 49.62,64.88 50,64.5 ; 163.62,45.88 D42.1 163.62,45.88 ; C40.2 12,42.25 ; 12,42.25 12,45.5 11.62,45.88 D58.1 ; 12,42.25 12,41.5 12.25,41.25
  Top w0.3: v2(171,76) 167.75,79.25 12.25,79.25 ; v2(171,60.25) 12.25,60.25 ; 12.25,22.25 v2(171,22.25) ; v2(171,41.25) 12.25,41.25 ; 12.25,3.25 165.5,3.25 v2(171,8.75)
  Bottom w0.2: v1(194.25,46.5) 196,44.75 196,34.25 195,33.25 171,33.25
  Bottom w1: 171,54.75 v2(171,41.25) v2(171,22.25) v2(171,8.75) ; 171,54.75 v2(171,60.25) v2(171,76) ; 171,54.75 171.08,54.67 Q1.3
/D+: length 14.3
  Top w0.25: J1.B6 192.5,57.75 192.33,57.59 192.33,56.75 ; U1.TP3 186.77,50.57 186.77,53.34 187.66,54.22 189.04,54.22 189.5,54.69 D1.2 190.2,56.75 J1.A6
/D-: length 13.8
  Top w0.25: J1.A7 194.12,57.25 194.25,57.12 194.25,56.38 194.12,56.25 J1.B7 191.7,56.25 D1.3 189.23,53.78 187.84,53.78 187.23,53.16 187.23,50.57 U1.TP2
/enc_a: length 53.2
  Top w0.2: U1.31 190.98,26.77 182.5,35.25 182.5,50.5 183.25,51.25 183.25,64.75 SW1.B
/enc_b: length 56.7
  Top w0.2: U1.32 189.19,29.31 183,35.5 183,50.25 183.75,51 183.75,69.25 SW1.A
/led_r0: length 45
  Top w0.2: U1.2 176.51,47.09 174.25,49.35 174.25,80.5 170.88,83.88 D6.4
/led_r1: length 33.7
  Top w0.2: D24.4 170.88,64.88 173.25,62.5 173.25,42.75 176.53,39.47 U1.5
/led_r2: length 19.7
  Top w0.2: D42.4 170.88,45.88 172.25,44.5 172.25,38.65 176.51,34.39 U1.7
/led_r3: length 11.6
  Top w0.2: U1.10 177.2,26.88 D60.4
/led_r4: length 20
  Top w0.2: U1.12 176.49,21.69 171,16.2 171,11.5 167.38,7.88 D78.4
/led_sw0/dout: length 23
  Top w0.2: 153.5,83.88 D8.4 153.5,83.88 ; 153.5,83.88 155.25,82.12 D6.2
/led_sw1/dout: length 23
  Top w0.2: 134.5,83.88 D10.4 134.5,83.88 ; 134.5,83.88 136.25,82.12 D8.2
/led_sw2/dout: length 23
  Top w0.2: 115.5,83.88 D14.4 115.5,83.88 ; 115.5,83.88 117.25,82.12 D10.2
/led_sw3/dout: length 23
  Top w0.2: 96.5,83.88 D12.4 96.5,83.88 ; 96.5,83.88 98.25,82.12 D14.2
/led_sw4/dout: length 23
  Top w0.2: D12.2 79.25,82.12 77.5,83.88 ; 77.5,83.88 D16.4 77.5,83.88
/led_sw5/dout: length 23
  Top w0.2: 58.5,83.88 D20.4 58.5,83.88 ; 58.5,83.88 60.25,82.12 D16.2
/led_sw6/dout: length 23
  Top w0.2: 39.5,83.88 D18.4 39.5,83.88 ; 39.5,83.88 41.25,82.12 D20.2
/led_sw7/dout: length 16.2
  Top w0.2: D18.2 22.25,82.12 20.5,83.88 D22.4
/led_sw10/din: length 23
  Top w0.2: 153.5,64.88 D26.4 153.5,64.88 ; 153.5,64.88 155.25,63.12 D24.2
/led_sw10/dout: length 23
  Top w0.2: D26.2 136.25,63.12 134.5,64.88 ; 134.5,64.88 D28.4 134.5,64.88
/led_sw11/dout: length 23
  Top w0.2: 115.5,64.88 D32.4 115.5,64.88 ; 115.5,64.88 117.25,63.12 D28.2
/led_sw12/dout: length 23
  Top w0.2: 96.5,64.88 D30.4 96.5,64.88 ; 96.5,64.88 98.25,63.12 D32.2
/led_sw13/dout: length 23
  Top w0.2: 77.5,64.88 D34.4 77.5,64.88 ; 77.5,64.88 79.25,63.12 D30.2
/led_sw14/dout: length 23
  Top w0.2: 58.5,64.88 60.25,63.12 D34.2 ; 58.5,64.88 D38.4 58.5,64.88
/led_sw15/dout: length 23
  Top w0.2: 39.5,64.88 D36.4 39.5,64.88 ; 39.5,64.88 41.25,63.12 D38.2
/led_sw16/dout: length 16.2
  Top w0.2: D40.4 20.5,64.88 22.25,63.12 D36.2
/led_sw18/dout: length 23
  Top w0.2: 153.5,45.88 D44.4 153.5,45.88 ; 153.5,45.88 155.25,44.12 D42.2
/led_sw19/dout: length 23
  Top w0.2: 134.5,45.88 136.25,44.12 D44.2 ; 134.5,45.88 D46.4 134.5,45.88
/led_sw20/dout: length 23
  Top w0.2: 115.5,45.88 D50.4 115.5,45.88 ; 115.5,45.88 117.25,44.12 D46.2
/led_sw21/dout: length 23
  Top w0.2: D50.2 98.25,44.12 96.5,45.88 ; 96.5,45.88 D48.4 96.5,45.88
/led_sw22/dout: length 23
  Top w0.2: D48.2 79.25,44.12 77.5,45.88 ; 77.5,45.88 D52.4 77.5,45.88
/led_sw23/dout: length 23
  Top w0.2: 58.5,45.88 D56.4 58.5,45.88 ; 58.5,45.88 60.25,44.12 D52.2
/led_sw24/dout: length 23
  Top w0.2: 39.5,45.88 41.25,44.12 D56.2 ; 39.5,45.88 D54.4 39.5,45.88
/led_sw25/dout: length 16.2
  Top w0.2: D58.4 20.5,45.88 22.25,44.12 D54.2
/led_sw27/dout: length 23
  Top w0.2: 153.5,26.88 155.25,25.12 D60.2 ; 153.5,26.88 D62.4 153.5,26.88
/led_sw28/dout: length 23
  Top w0.2: 134.5,26.88 D64.4 134.5,26.88 ; 134.5,26.88 136.25,25.12 D62.2
/led_sw29/dout: length 23
  Top w0.2: 115.5,26.88 117.25,25.12 D64.2 ; 115.5,26.88 D68.4 115.5,26.88
/led_sw30/dout: length 23
  Top w0.2: 96.5,26.88 98.25,25.12 D68.2 ; 96.5,26.88 D66.4 96.5,26.88
/led_sw31/dout: length 23
  Top w0.2: 77.5,26.88 79.25,25.12 D66.2 ; 77.5,26.88 D70.4 77.5,26.88
/led_sw32/dout: length 23
  Top w0.2: 58.5,26.88 D74.4 58.5,26.88 ; 58.5,26.88 60.25,25.12 D70.2
/led_sw33/dout: length 23
  Top w0.2: D74.2 41.25,25.12 39.5,26.88 ; 39.5,26.88 D72.4 39.5,26.88
/led_sw34/dout: length 16.2
  Top w0.2: D72.2 22.25,25.12 20.5,26.88 D76.4
/led_sw36/dout: length 23
  Top w0.2: 153.5,7.88 D80.4 153.5,7.88 ; 153.5,7.88 155.25,6.12 D78.2
/led_sw37/dout: length 23
  Top w0.2: 134.5,7.88 136.25,6.12 D80.2 ; 134.5,7.88 D82.4 134.5,7.88
/led_sw38/dout: length 23
  Top w0.2: D82.2 117.25,6.12 115.5,7.88 ; 115.5,7.88 D86.4 115.5,7.88
/led_sw39/dout: length 23
  Top w0.2: 96.5,7.88 D84.4 96.5,7.88 ; 96.5,7.88 98.25,6.12 D86.2
/led_sw40/dout: length 23
  Top w0.2: 77.5,7.88 79.25,6.12 D84.2 ; 77.5,7.88 D88.4 77.5,7.88
/led_sw41/dout: length 23
  Top w0.2: 58.5,7.88 D92.4 58.5,7.88 ; 58.5,7.88 60.25,6.12 D88.2
/led_sw42/dout: length 23
  Top w0.2: 39.5,7.88 D90.4 39.5,7.88 ; 39.5,7.88 41.25,6.12 D92.2
/led_sw43/dout: length 16.2
  Top w0.2: D94.4 20.5,7.88 22.25,6.12 D90.2
/lipo+: length 75.7
  Top w0.2: R15.1 195.75,72 v1(195.25,71.5) ; v1(182,59.5) 182,55.17 J3.2
  Top w1: J3.2 182.25,53.25 181,52 v2(178,52)
  Bottom w0.2: R14.1 184.75,48.75 ; 184.75,48.75 178.25,48.75 178,49 Q1.5 ; 184.75,48.75 186.75,48.75 187.23,49.22 187.23,51.25 ; R12.1 182.43,59.07 v1(182,59.5) 179.23,59.5 ; 187.23,51.25 187.2,51.28 C11.1 ; 187.23,51.25 U4.8 ; J4.1 192.12,82 190.75,82 190.25,81.5 190.25,71.5 ; 190.25,71.5 187,71.5 181.75,66.25 C5.1 ; 190.25,71.5 v1(195.25,71.5) ; C5.1 181.93,63.2 U6.3 ; C5.1 179.23,60.5 179.23,59.5 ; U5.1 179.55,58.18 C13.1 179.23,59.5
/pwr_en: length 2.5
  Bottom w0.2: U5.3 180.45,55.8 180.87,55.38 U4.3
/pwr_led: length 39.1
  Top w0.2: D5.2 D4.1 v1(196,73.5)
  Bottom w0.2: J4.2 192.25,79.63 192.25,73 193,72.25 194.75,72.25 v1(196,73.5) 196,65.58 195.75,65.33 195.75,58.25 194.15,56.66 U4.5
/pwr_sw: length 35.8
  Bottom w0.2: SW1.S2 195.25,73.75 196.13,74.63 ; U4.6 193.63,55.38 196.25,58 196.25,65 196.5,65.25 196.5,72.75 196.75,73 196.75,74.02 196.13,74.63 ; J4.6 195.27,75.5 196.13,74.63
/SCL: length 103.4
  Top w0.2: v1(197.75,63.5) 197,63.5 196,62.5 196,52.25 193.25,49.5 193.25,32.75 v1(191.5,31) ; v1(194.5,15.25) 195.86,16.61 U1.27
  Bottom w0.2: v1(191.5,31) 185.75,25.25 185.75,19.25 188,17 193.68,17 R6.2 v1(194.5,15.25) ; v1(197.75,63.5) 198.35,64.1 198.35,72.4 198.25,72.5 198.25,83.5 197.5,84.25 189.5,84.25 185,88.75 U3.18
/SDA: length 104.7
  Top w0.2: v1(193,15.25) 194.18,14.07 U1.26 ; v1(197.75,64.5) 197,64.5 195.5,63 195.5,52.5 192.75,49.75 192.75,33.25 v1(191.5,32)
  Bottom w0.2: v1(191.5,32) 185.25,25.75 185.25,19 188.07,16.18 R5.2 v1(193,15.25) ; U3.20 U3.19 184.3,88.7 189.25,83.75 197.25,83.75 197.75,83.25 v1(197.75,64.5)
/sw_c0: length 295
  Top w0.2: D95.1 v1(3.54,10.58) ; v1(198.75,2.6) 197.52,1.37 U1.21 ; D59.1 v1(3.54,48.58) ; D77.1 v1(3.54,29.58) ; D23.1 v1(3.54,86.58) ; D41.1 v1(3.54,67.58)
  Bottom w0.2: v1(198.75,2.6) 198,3.35 198,7.5 194.5,11 179.75,11 178.25,9.5 178.25,4.5 176.25,2.5 170.75,2.5 170.25,3 11.12,3 v1(3.54,10.58) v1(3.54,86.58)
/sw_c1: length 273.9
  Top w0.2: D19.1 v1(22.54,86.58) ; U1.22 197.56,3.91 v1(198.75,5.1) ; D55.1 v1(22.54,48.58) ; D37.1 v1(22.54,67.58) ; D73.1 v1(22.54,29.58) ; D91.1 v1(22.54,10.58)
  Bottom w0.2: v1(22.54,86.58) v1(22.54,10.58) 29.62,3.5 170.5,3.5 171,3 176,3 177.75,4.75 177.75,9.75 179.5,11.5 194.75,11.5 198.75,7.5 v1(198.75,5.1)
/sw_c2: length 251.4
  Top w0.2: v1(198.75,10.25) 197.49,8.99 U1.24 ; D21.1 v1(41.54,86.58) ; D57.1 v1(41.54,48.58) ; D39.1 v1(41.54,67.58) ; D75.1 v1(41.54,29.58) ; D93.1 v1(41.54,10.58)
  Bottom w0.2: v1(41.54,86.58) v1(41.54,10.58) 48.12,4 170.75,4 171.25,3.5 175.75,3.5 177.25,5 177.25,10 179.25,12 197,12 v1(198.75,10.25)
/sw_c3: length 202.1
  Top w0.2: v1(173,4.2) 173.65,4.2 176.48,1.37 U1.20 ; D17.1 v1(60.54,86.58) ; D89.1 v1(60.54,10.58) ; D53.1 v1(60.54,48.58) ; D71.1 v1(60.54,29.58) ; D35.1 v1(60.54,67.58)
  Bottom w0.2: v1(60.54,86.58) v1(60.54,10.58) 66.62,4.5 172,4.5 172.3,4.2 v1(173,4.2)
/sw_c4: length 182
  Top w0.2: v1(173,5) 175.4,5 176.49,3.91 U1.19 ; D31.1 v1(79.54,67.58) ; D13.1 v1(79.54,86.58) ; D49.1 v1(79.54,48.58) ; D85.1 v1(79.54,10.58) ; D67.1 v1(79.54,29.58)
  Bottom w0.2: v1(79.54,86.58) v1(79.54,10.58) 85.12,5 v1(173,5)
/sw_c5: length 164.3
  Top w0.2: D69.1 v1(98.54,29.58) ; v1(175,9) 175.01,8.99 U1.17 ; D87.1 v1(98.54,10.58) ; D51.1 v1(98.54,48.58) ; D15.1 v1(98.54,86.58) ; D33.1 v1(98.54,67.58)
  Bottom w0.2: v1(175,9) 174.5,8.5 174.5,7.75 172.25,5.5 103.62,5.5 v1(98.54,10.58) v1(98.54,86.58)
/sw_c6: length 146.9
  Top w0.2: D83.1 v1(117.54,10.58) ; v1(175,11.5) 177.28,11.5 U1.16 ; D65.1 v1(117.54,29.58) ; D47.1 v1(117.54,48.58) ; D11.1 v1(117.54,86.58) ; D29.1 v1(117.54,67.58)
  Bottom w0.2: v1(117.54,86.58) v1(117.54,10.58) 122.12,6 172,6 174,8 174,10.5 v1(175,11.5)
